# Altium PCB EPS.PcbDoc (part 3 of 11)
Units mm, origin at the board's own origin, x right, y up, seen from the top; angles counter-clockwise.
Board outline 90.25 x 93.64 mm, 8 copper layers (Top Layer, PGND, Power, Control Signals 1, Control Signals 2, Signal 1, Signal 2, Bottom Layer), stack 1.637 mm thick; 941 components, 557 nets, 2694 pads, 869 vias.
Unrouted connection lines stored in the file: 2.
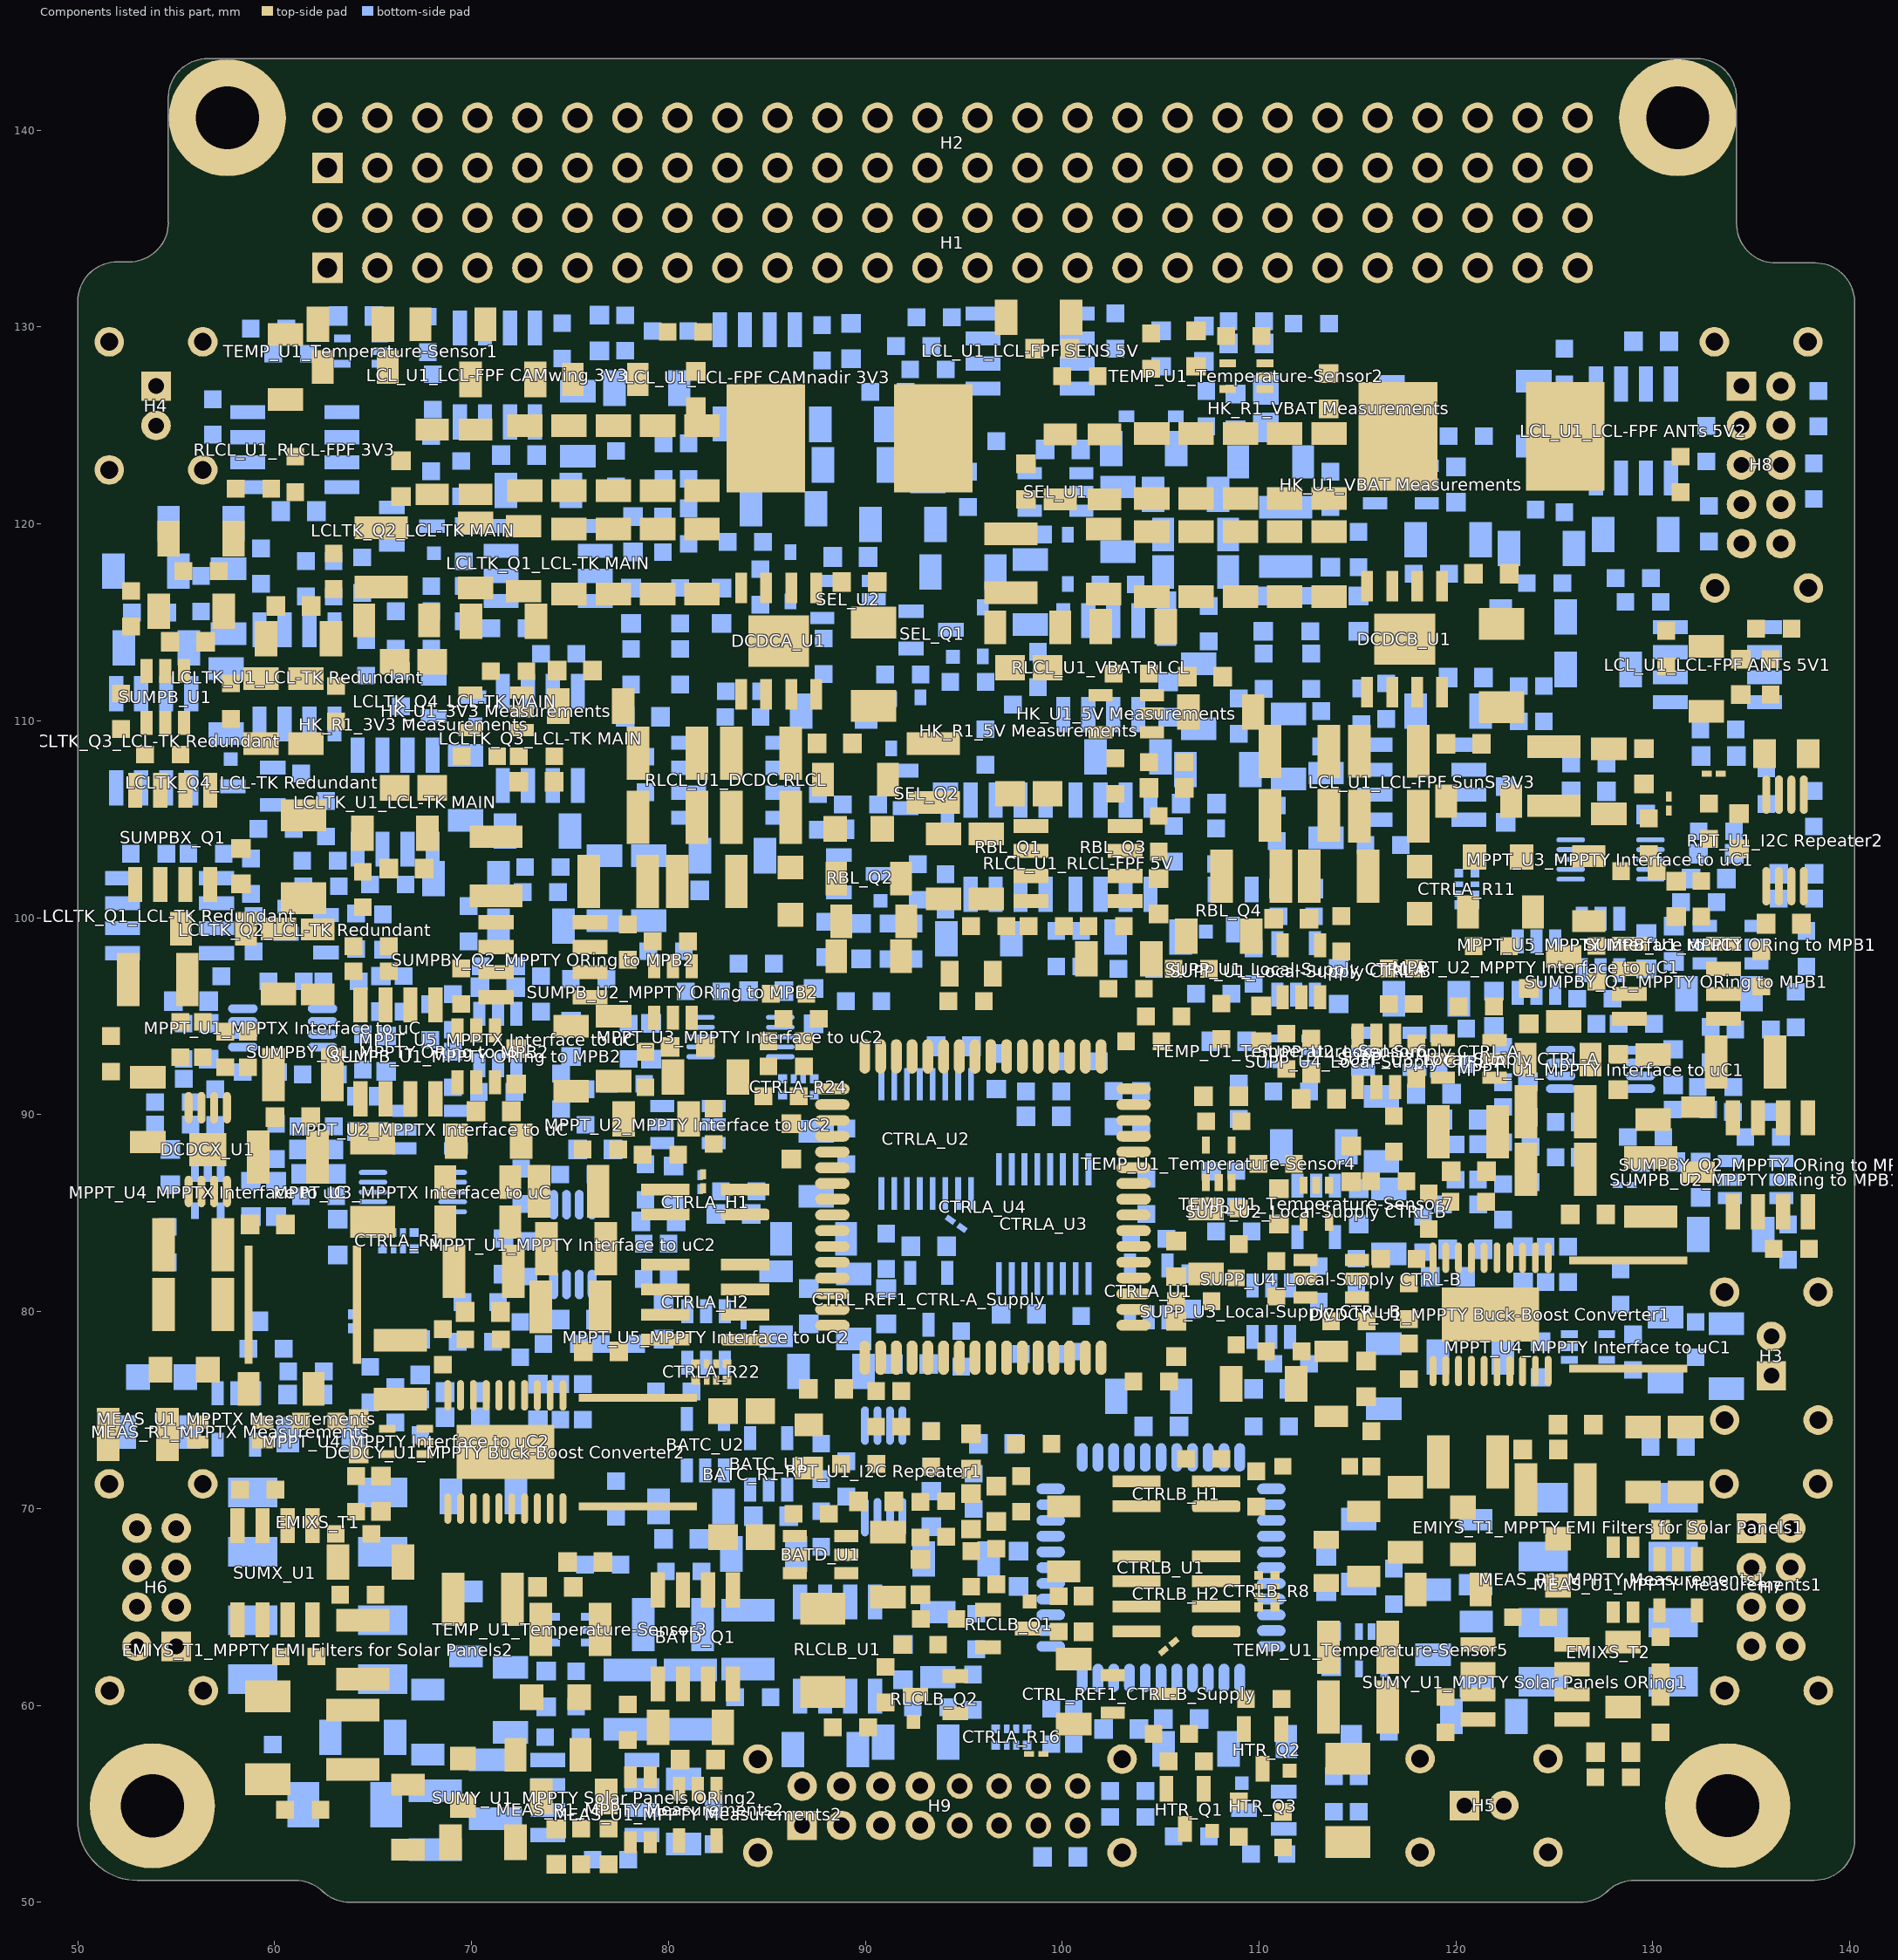
[diagram p9: the components of this part, seen from the top]

## Components (designator, comment, footprint, x,y, rotation, side; value= is the part's Value field where it differs from the comment) (continued)
"MPPT_R2_MPPTY Interface to uC1" "220k/1%" SMD_Resistor_0603 131.915,90.259 r0 bottom (schematic designator MPPT_R2)
"MPPT_R2_MPPTY Interface to uC2" "220k/1%" SMD_Resistor_0603 75.4,86.957 r180 bottom (schematic designator MPPT_R2)
"MPPT_R3_MPPTX Interface to uC" "13k/1%" SMD_Resistor_0603 63.373,96.774 r180 bottom (schematic designator MPPT_R3)
"MPPT_R3_MPPTY Interface to uC1" "13k/1%" SMD_Resistor_0603 133.185,91.402 r180 bottom (schematic designator MPPT_R3)
"MPPT_R3_MPPTY Interface to uC2" "13k/1%" SMD_Resistor_0603 72.898,82.677 r90 bottom (schematic designator MPPT_R3)
"MPPT_R4_MPPTX Interface to uC" "NC" SMD_Resistor_0603 55.372,93.726 r90 bottom (schematic designator MPPT_R4)
"MPPT_R4_MPPTY Interface to uC1" "NC" SMD_Resistor_0603 125.057,88.735 r270 bottom (schematic designator MPPT_R4)
"MPPT_R4_MPPTY Interface to uC2" "NC" SMD_Resistor_0603 77.47,78.359 r0 bottom (schematic designator MPPT_R4)
"MPPT_R5_MPPTX Interface to uC" "4.7k/1%" SMD_Resistor_0603 69.05,95.212 r270 bottom (schematic designator MPPT_R5)
"MPPT_R5_MPPTY Interface to uC1" "4.7k/1%" SMD_Resistor_0603 129.159,94.615 r180 bottom (schematic designator MPPT_R5)
"MPPT_R5_MPPTY Interface to uC2" "4.7k/1%" SMD_Resistor_0603 75.781,90.386 r90 bottom (schematic designator MPPT_R5)
"MPPT_R6_MPPTX Interface to uC" "680k/1%" SMD_Resistor_0603 67.907,94.704 r270 bottom (schematic designator MPPT_R6)
"MPPT_R6_MPPTY Interface to uC1" "680k/1%" SMD_Resistor_0603 135.09,94.323 r0 bottom (schematic designator MPPT_R6)
"MPPT_R6_MPPTY Interface to uC2" "680k/1%" SMD_Resistor_0603 78.829,86.576 r270 bottom (schematic designator MPPT_R6)
"MPPT_R7_MPPTX Interface to uC" "330k/1%" SMD_Resistor_0603 66.548,96.139 r270 bottom (schematic designator MPPT_R7)
"MPPT_R7_MPPTY Interface to uC1" "330k/1%" SMD_Resistor_0603 132.931,93.561 r90 bottom (schematic designator MPPT_R7)
"MPPT_R7_MPPTY Interface to uC2" "330k/1%" SMD_Resistor_0603 74.549,91.186 r270 bottom (schematic designator MPPT_R7)
"MPPT_R8_MPPTX Interface to uC" "680k/1%" SMD_Resistor_0603 62.319,92.037 r0 bottom (schematic designator MPPT_R8)
"MPPT_R8_MPPTY Interface to uC1" "680k/1%" SMD_Resistor_0603 129.629,88.862 r0 bottom (schematic designator MPPT_R8)
"MPPT_R8_MPPTY Interface to uC2" "680k/1%" SMD_Resistor_0603 78.74,82.55 r90 bottom (schematic designator MPPT_R8)
"MPPT_R9_MPPTX Interface to uC" "330k/1%" SMD_Resistor_0603 56.388,97.028 r180 bottom (schematic designator MPPT_R9)
"MPPT_R9_MPPTY Interface to uC1" "330k/1%" SMD_Resistor_0603 122.39,92.545 r270 bottom (schematic designator MPPT_R9)
"MPPT_R9_MPPTY Interface to uC2" "330k/1%" SMD_Resistor_0603 80.01,82.55 r270 bottom (schematic designator MPPT_R9)
"MPPT_R10_MPPTX Interface to uC" "1k/1%" SMD_Resistor_0603 59.563,78.105 r180 bottom (schematic designator MPPT_R10)
"MPPT_R10_MPPTY Interface to uC1" "1k/1%" SMD_Resistor_0603 126.746,107.823 r0 bottom (schematic designator MPPT_R10)
"MPPT_R10_MPPTY Interface to uC2" "1k/1%" SMD_Resistor_0603 89.916,95.758 r0 bottom (schematic designator MPPT_R10)
"MPPT_R11_MPPTX Interface to uC" "2.2k/1%" SMD_Resistor_0603 54.572,83.401 r90 bottom (schematic designator MPPT_R11)
"MPPT_R11_MPPTY Interface to uC1" "2.2k/1%" SMD_Resistor_0603 128.359,81.242 r270 bottom (schematic designator MPPT_R11)
"MPPT_R11_MPPTY Interface to uC2" "2.2k/1%" SMD_Resistor_0603 62.23,74.422 r0 top (schematic designator MPPT_R11)
"MPPT_R12_MPPTX Interface to uC" "1k/1%" SMD_Resistor_0603 62.103,89.408 r180 bottom (schematic designator MPPT_R12)
"MPPT_R12_MPPTY Interface to uC1" "1k/1%" SMD_Resistor_0603 132.334,100.787 r0 bottom (schematic designator MPPT_R12)
"MPPT_R12_MPPTY Interface to uC2" "1k/1%" SMD_Resistor_0603 75.946,96.901 r0 bottom (schematic designator MPPT_R12)
"MPPT_R13_MPPTX Interface to uC" "4.7k/1%" SMD_Resistor_0603 64.897,98.552 r180 top (schematic designator MPPT_R13)
"MPPT_R13_MPPTY Interface to uC1" "4.7k/1%" SMD_Resistor_0603 132.461,100.965 r270 top (schematic designator MPPT_R13)
"MPPT_R13_MPPTY Interface to uC2" "4.7k/1%" SMD_Resistor_0603 81.788,96.266 r180 bottom (schematic designator MPPT_R13)
"MPPT_R14_MPPTX Interface to uC" "1k/1%" SMD_Resistor_0603 62.23,85.852 r0 bottom (schematic designator MPPT_R14)
"MPPT_R14_MPPTY Interface to uC1" "1k/1%" SMD_Resistor_0603 133.223,104.394 r180 bottom (schematic designator MPPT_R14)
"MPPT_R14_MPPTY Interface to uC2" "1k/1%" SMD_Resistor_0603 77.978,93.726 r90 bottom (schematic designator MPPT_R14)
"MPPT_R15_MPPTX Interface to uC" "5.6k/1%" SMD_Resistor_0603 69.05,92.291 r270 bottom (schematic designator MPPT_R15)
"MPPT_R15_MPPTY Interface to uC1" "5.6k/1%" SMD_Resistor_0603 126.238,94.615 r180 bottom (schematic designator MPPT_R15)
"MPPT_R15_MPPTY Interface to uC2" "5.6k/1%" SMD_Resistor_0603 77.862,91.567 r0 bottom (schematic designator MPPT_R15)
"MPPT_R16_MPPTX Interface to uC" "4.7k/1%" SMD_Resistor_0603 71.272,91.161 r0 bottom (schematic designator MPPT_R16)
"MPPT_R16_MPPTY Interface to uC1" "4.7k/1%" SMD_Resistor_0603 127.051,95.885 r0 bottom (schematic designator MPPT_R16)
"MPPT_R16_MPPTY Interface to uC2" "4.7k/1%" SMD_Resistor_0603 80.264,75.946 r0 bottom (schematic designator MPPT_R16)
"MPPT_R17_MPPTX Interface to uC" "22k/1%" SMD_Resistor_0603 73.533,96.139 r90 bottom (schematic designator MPPT_R17)
"MPPT_R17_MPPTY Interface to uC1" "22k/1%" SMD_Resistor_0603 129.794,104.14 r270 top (schematic designator MPPT_R17)
"MPPT_R17_MPPTY Interface to uC2" "22k/1%" SMD_Resistor_0603 84.455,97.663 r180 bottom (schematic designator MPPT_R17)
"MPPT_R18_MPPTX Interface to uC" "11k/1%" SMD_Resistor_0603 71.374,97.536 r180 bottom (schematic designator MPPT_R18)
"MPPT_R18_MPPTY Interface to uC1" "11k/1%" SMD_Resistor_0603 129.286,102.362 r180 top (schematic designator MPPT_R18)
"MPPT_R18_MPPTY Interface to uC2" "11k/1%" SMD_Resistor_0603 83.566,86.106 r180 bottom (schematic designator MPPT_R18)
"MPPT_U1_MPPTX Interface to uC" "LTC6078" MSOP-8 60.407,94.409 r0 bottom (schematic designator MPPT_U1)
"MPPT_U1_MPPTY Interface to uC1" "LTC6078" MSOP-8 127.343,92.291 r0 bottom (schematic designator MPPT_U1)
"MPPT_U1_MPPTY Interface to uC2" "LTC6078" MSOP-8 75.146,83.401 r90 bottom (schematic designator MPPT_U1)
"MPPT_U2_MPPTX Interface to uC" "DAC121S101" SOT23-6 67.907,89.243 r0 bottom (schematic designator MPPT_U2)
"MPPT_U2_MPPTY Interface to uC1" "DAC121S101" SOT23-6 124.079,97.498 r90 bottom (schematic designator MPPT_U2)
"MPPT_U2_MPPTY Interface to uC2" "DAC121S101" SOT23-6 80.988,89.497 r0 bottom (schematic designator MPPT_U2)
"MPPT_U3_MPPTX Interface to uC" "ADC124S021CIMM" MUB10A_L 67.018,86.068 r0 bottom (schematic designator MPPT_U3)
"MPPT_U3_MPPTY Interface to uC1" "ADC124S021CIMM" MUB10A_L 127.851,102.959 r180 bottom (schematic designator MPPT_U3)
"MPPT_U3_MPPTY Interface to uC2" "ADC124S021CIMM" MUB10A_L 83.655,93.942 r0 bottom (schematic designator MPPT_U3)
"MPPT_U4_MPPTX Interface to uC" "LMT87" SC70-LT5_N 56.604,86.068 r270 bottom (schematic designator MPPT_U4)
"MPPT_U4_MPPTY Interface to uC1" "LMT87" SC70-LT5_N 126.708,78.194 r0 bottom (schematic designator MPPT_U4)
"MPPT_U4_MPPTY Interface to uC2" "LMT87" SC70-LT5_N 66.675,73.406 r180 top (schematic designator MPPT_U4)
"MPPT_U5_MPPTX Interface to uC" "Value" SOT23-6 71.336,93.815 r270 bottom (schematic designator MPPT_U5)
"MPPT_U5_MPPTY Interface to uC1" "Value" SOT23-6 127.343,98.641 r270 bottom (schematic designator MPPT_U5)
"MPPT_U5_MPPTY Interface to uC2" "Value" SOT23-6 81.915,78.702 r270 bottom (schematic designator MPPT_U5)
RBL_C1 "10u/16V" SMD_Capacitor_1206 95.758,98.933 r180 bottom
RBL_C2 "100n/50V" SMD_Capacitor_0603 89.789,98.806 r270 bottom
RBL_C3 "10u/16V" SMD_Capacitor_1206 104.356,99.022 r180 bottom
RBL_C4 "100n/50V" SMD_Capacitor_0603 106.934,105.791 r0 bottom
RBL_Q1 "IRF7416" SOIC-8-N_SSSGDDDD 97.244,103.594 r90 bottom
RBL_Q2 "2N2222ACSM" LCC1-4_BEC 88.353,102.235 r90 bottom
RBL_Q3 "IRF7416" SOIC-8-N_SSSGDDDD 102.578,103.594 r90 bottom
RBL_Q4 "2N2222ACSM" LCC1-4_BEC 108.674,101.728 r0 bottom
RBL_R1 "10k/1%" SMD_Resistor_0603 92.456,98.806 r90 bottom
RBL_R2 "220R" SMD_Resistor_0603 94.069,101.308 r270 bottom
RBL_R3 "22k/1%" SMD_Resistor_0603 91.186,98.806 r90 bottom
RBL_R4 "4.7k/1%" SMD_Resistor_0603 92.672,101.816 r90 bottom
RBL_R5 "10k/1%" SMD_Resistor_0603 87.973,98.895 r90 bottom
RBL_R6 "22k/1%" SMD_Resistor_0603 99.695,98.425 r270 bottom
RBL_R7 "220R" SMD_Resistor_0603 100.965,98.425 r270 bottom
RBL_R8 "22k/1%" SMD_Resistor_0603 105.664,103.759 r90 bottom
RBL_R9 "10k/1%" SMD_Resistor_0603 103.759,97.409 r0 bottom
RBL_R10 "10k/1%" SMD_Resistor_0603 107.823,103.632 r270 bottom
"RLCL_C1_DCDC RLCL" "10u/16V" SMD_Capacitor_1206 79,101.5 r270 bottom (schematic designator RLCL_C1)
"RLCL_C1_RLCL-FPF 3V3" "10u/16V" SMD_Capacitor_1206 56.261,120.015 r180 bottom (schematic designator RLCL_C1)
"RLCL_C1_RLCL-FPF 5V" "10u/16V" SMD_Capacitor_1206 96.139,102.616 r270 top (schematic designator RLCL_C1)
"RLCL_C1_VBAT RLCL" "10u/16V" SMD_Capacitor_1206 103.34,108.166 r0 bottom (schematic designator RLCL_C1)
"RLCL_C2_DCDC RLCL" "1u/25V" SMD_Capacitor_1206 83.25,103.15 r0 bottom (schematic designator RLCL_C2)
"RLCL_C2_RLCL-FPF 3V3" "100n/50V" SMD_Capacitor_0603 61.214,120.65 r180 bottom (schematic designator RLCL_C2)
"RLCL_C2_RLCL-FPF 5V" "100n/50V" SMD_Capacitor_0603 104.902,101.092 r90 top (schematic designator RLCL_C2)
"RLCL_C2_VBAT RLCL" "1u/25V" SMD_Capacitor_1206 106.934,111.252 r90 bottom (schematic designator RLCL_C2)
"RLCL_C3_DCDC RLCL" "100n/50V" SMD_Capacitor_0603 82.5,101.4 r0 bottom (schematic designator RLCL_C3)
"RLCL_C3_RLCL-FPF 3V3" "10u/16V" SMD_Capacitor_1206 56.261,119.253 r0 top (schematic designator RLCL_C3)
"RLCL_C3_RLCL-FPF 5V" "10u/16V" SMD_Capacitor_1206 93.98,102.616 r90 top (schematic designator RLCL_C3)
"RLCL_C3_VBAT RLCL" "100n/50V" SMD_Capacitor_0603 105.372,111.087 r90 bottom (schematic designator RLCL_C3)
"RLCL_C4_DCDC RLCL" "100n/50V" SMD_Capacitor_0603 89.878,104.483 r0 bottom (schematic designator RLCL_C4)
"RLCL_C4_VBAT RLCL" "100n/50V" SMD_Capacitor_0603 105.283,115.189 r270 bottom (schematic designator RLCL_C4)
"RLCL_C5_DCDC RLCL" "10u/16V" SMD_Capacitor_1206 76.75,101.5 r90 bottom (schematic designator RLCL_C5)
"RLCL_C5_VBAT RLCL" "10u/16V" SMD_Capacitor_1206 107.912,107.531 r0 bottom (schematic designator RLCL_C5)
"RLCL_R1_RLCL-FPF 3V3" "220k/1%" SMD_Resistor_0603 61.049,122.517 r270 top (schematic designator RLCL_R1)
"RLCL_R1_RLCL-FPF 5V" "220k/1%" SMD_Resistor_0603 104.902,104.267 r90 top (schematic designator RLCL_R1)
"RLCL_R2_DCDC RLCL" "180k/1%" SMD_Resistor_0603 83.782,110.198 r180 bottom (schematic designator RLCL_R2)
"RLCL_R2_VBAT RLCL" "180k/1%" SMD_Resistor_0603 98.768,112.611 r270 bottom (schematic designator RLCL_R2)
"RLCL_R3_DCDC RLCL" "220k/1%" SMD_Resistor_0603 78.829,107.277 r90 bottom (schematic designator RLCL_R3)
"RLCL_R3_VBAT RLCL" "220k/1%" SMD_Resistor_0603 97.498,111.722 r270 bottom (schematic designator RLCL_R3)
"RLCL_R4_DCDC RLCL" "1M" SMD_Resistor_0603 79.883,98.298 r180 bottom (schematic designator RLCL_R4)
"RLCL_R4_RLCL-FPF 3V3" "220k/1%" SMD_Resistor_0603 58.928,121.793 r0 top (schematic designator RLCL_R4)
"RLCL_R4_RLCL-FPF 5V" "220k/1%" SMD_Resistor_0603 102.235,99.568 r0 top (schematic designator RLCL_R4)
"RLCL_R4_VBAT RLCL" "1M" SMD_Resistor_0603 108.966,110.236 r270 bottom (schematic designator RLCL_R4)
"RLCL_R5_DCDC RLCL" "51R" SMD_Resistor_0603 83.82,111.506 r180 bottom (schematic designator RLCL_R5)
"RLCL_R5_VBAT RLCL" "51R" SMD_Resistor_0603 107.442,114.935 r90 bottom (schematic designator RLCL_R5)
"RLCL_R6_DCDC RLCL" "220k/1%" SMD_Resistor_0603 87.592,105.372 r270 bottom (schematic designator RLCL_R6)
"RLCL_R6_RLCL-FPF 3V3" "1M" SMD_Resistor_0603 56.261,117.602 r180 top (schematic designator RLCL_R6)
"RLCL_R6_RLCL-FPF 5V" "1M" SMD_Resistor_0603 96.266,99.568 r180 top (schematic designator RLCL_R6)
"RLCL_R6_VBAT RLCL" "220k/1%" SMD_Resistor_0603 102.832,116.929 r0 bottom (schematic designator RLCL_R6)
"RLCL_U1_DCDC RLCL" "FPF2700MX" SOIC-8-N 83.45,107 r0 bottom (schematic designator RLCL_U1)
"RLCL_U1_RLCL-FPF 3V3" "FPF2700MX" SOIC-8-N 61.049,123.787 r0 bottom (schematic designator RLCL_U1)
"RLCL_U1_RLCL-FPF 5V" "FPF2700MX" SOIC-8-N 100.838,102.743 r0 top (schematic designator RLCL_U1)
"RLCL_U1_VBAT RLCL" "FPF2700MX" SOIC-8-N 101.943,112.738 r90 bottom (schematic designator RLCL_U1)
RLCLB_C1 "10u/25V" SMD_Capacitor_1210 80.226,64.097 r180 bottom
RLCLB_C2 "10u/25V" SMD_Capacitor_1210 84.036,63.335 r270 bottom
RLCLB_C3 "1u/25V" SMD_Capacitor_1206 93.688,63.081 r270 bottom
RLCLB_C4 "100n/50V" SMD_Capacitor_0603 91.91,62.192 r270 bottom
RLCLB_C5 "1u/25V" SMD_Capacitor_1206 87.973,57.747 r0 bottom
RLCLB_C6 "10u/25V" SMD_Capacitor_1210 78.067,60.287 r270 bottom
RLCLB_C7 "10u/25V" SMD_Capacitor_1210 81.115,60.287 r270 bottom
RLCLB_C8 "1u/25V" SMD_Capacitor_1206 92.545,58.128 r0 bottom
RLCLB_Q1 "2N2222ACSM" LCC1-4_BEC 95.928,63.904 r270 top
RLCLB_Q2 "2N2222ACSM" LCC1-4_BEC 94.87,60.541 r90 top
RLCLB_R1 "10k/1%" SMD_Resistor_0603 92.799,63.081 r0 top
RLCLB_R2 "220R/1%" SMD_Resistor_0603 93.726,64.389 r0 top
RLCLB_R3 "220R/1%" SMD_Resistor_0603 91.021,61.049 r270 top
RLCLB_R4 "470k/1%" SMD_Resistor_0603 89.243,58.89 r180 top
RLCLB_R6 "150k/1%" SMD_Resistor_0603 95.631,63.754 r270 bottom
RLCLB_R8 "51R" SMD_Resistor_0603 95.466,60.668 r270 bottom
RLCLB_R9 "22k/1%" SMD_Resistor_0603 110.617,74.168 r0 bottom
RLCLB_R10 "22k/1%" SMD_Resistor_0603 104.14,93.726 r0 top
RLCLB_R11 "470k" SMD_Resistor_0603 76.67,67.145 r180 bottom
RLCLB_R12 "470k" SMD_Resistor_0603 84.29,60.414 r0 bottom
RLCLB_R13 "470k" SMD_Resistor_0603 93.307,59.906 r0 bottom
RLCLB_U1 "FPF2700MX" SOIC-8-N 88.608,62.827 r270 bottom
"RPT_C1_I2C Repeater1" "10p/50V" SMD_Capacitor_0603 93.345,69.977 r270 bottom (schematic designator RPT_C1)
"RPT_C1_I2C Repeater2" "10p/50V" SMD_Capacitor_0603 137.287,102.235 r0 bottom (schematic designator RPT_C1)
"RPT_C2_I2C Repeater1" "10p/50V" SMD_Capacitor_0603 95.377,72.898 r90 top (schematic designator RPT_C2)
"RPT_C2_I2C Repeater2" "10p/50V" SMD_Capacitor_0603 134.366,104.394 r90 top (schematic designator RPT_C2)
"RPT_C3_I2C Repeater1" "100n/50V" SMD_Capacitor_0603 90.551,70.358 r0 top (schematic designator RPT_C3)
"RPT_C3_I2C Repeater2" "100n/50V" SMD_Capacitor_0603 136.652,99.695 r180 top (schematic designator RPT_C3)
"RPT_C5_I2C Repeater1" "Cap" SMD_Capacitor_0805 87.122,73.152 r90 top value=470n/16V (schematic designator RPT_C5)
"RPT_C5_I2C Repeater2" "Cap" SMD_Capacitor_0805 136.779,108.331 r180 top value=470n/16V (schematic designator RPT_C5)
"RPT_R1_I2C Repeater1" "4.7k/1%" SMD_Resistor_0603 89.662,72.263 r0 top (schematic designator RPT_R1)
"RPT_R1_I2C Repeater2" "4.7k/1%" SMD_Resistor_0603 132.842,104.902 r270 top (schematic designator RPT_R1)
"RPT_R2_I2C Repeater1" "4.7k/1%" SMD_Resistor_0603 89.027,71.501 r90 bottom (schematic designator RPT_R2)
"RPT_R2_I2C Repeater2" "4.7k/1%" SMD_Resistor_0603 138.176,105.537 r270 bottom (schematic designator RPT_R2)
"RPT_R3_I2C Repeater1" "100R/1%" SMD_Resistor_0603 93.345,73.025 r90 bottom (schematic designator RPT_R3)
"RPT_R3_I2C Repeater2" "100R/1%" SMD_Resistor_0603 137.287,100.965 r0 bottom (schematic designator RPT_R3)
"RPT_R4_I2C Repeater1" "100R/1%" SMD_Resistor_0603 138.405,125.857 r270 bottom (schematic designator RPT_R4)
"RPT_R4_I2C Repeater2" "100R/1%" SMD_Resistor_0603 138.176,122.174 r90 bottom (schematic designator RPT_R4)
"RPT_R5_I2C Repeater1" "100R/1%" SMD_Resistor_0603 93.345,73.025 r90 top (schematic designator RPT_R5)
"RPT_R5_I2C Repeater2" "100R/1%" SMD_Resistor_0603 135.763,106.68 r90 bottom (schematic designator RPT_R5)
"RPT_R6_I2C Repeater1" "100R/1%" SMD_Resistor_0603 132.715,124.079 r90 bottom (schematic designator RPT_R6)
"RPT_R6_I2C Repeater2" "100R/1%" SMD_Resistor_0603 132.842,120.015 r90 bottom (schematic designator RPT_R6)
"RPT_U1_I2C Repeater1" "PCA9517" TSSOP8_L 89.662,71.882 r90 bottom (schematic designator RPT_U1)
"RPT_U1_I2C Repeater2" "PCA9517" TSSOP8_L 135.445,103.925 r270 top (schematic designator RPT_U1)
SEL_C1 "Cap" SMD_Capacitor_0603 78.702,110.198 r180 bottom value=100n/50V
SEL_C2 "100n/50V" SMD_Capacitor_0603 100.038,123.787 r0 bottom
SEL_C3 "100n/50V" SMD_Capacitor_0603 89.243,118.326 r0 bottom
SEL_C4 "10u/16V" SMD_Capacitor_1206 98.387,116.548 r270 bottom
SEL_C5 "10u/16V" SMD_Capacitor_1206 88.392,110.49 r0 bottom
SEL_C6 "10u/16V" SMD_Capacitor_1206 102.832,120.231 r90 bottom
SEL_C7 "10u/16V" SMD_Capacitor_1206 94.958,117.564 r180 bottom
SEL_D1 "BAT165" SOD323 104.521,125.476 r180 bottom
SEL_D2 "BAT165" SOD323 86.195,117.31 r270 bottom
SEL_D3 "BAT165" SOD323 95.974,114.516 r90 bottom
SEL_D4 "BAT165" SOD323 92.799,109.944 r90 bottom
SEL_D5 "BAT165" SOD323 100.292,118.199 r90 bottom
SEL_D6 "BAT165" SOD323 91.313,109.855 r270 bottom
SEL_Q1 "2N2222ACSM" LCC1-4_BEC 92.025,114.621 r90 bottom
SEL_Q2 "2N2222ACSM" LCC1-4_BEC 91.744,106.515 r90 bottom
SEL_R1 "100k/1%" SMD_Resistor_0603 81.026,119.888 r90 bottom
SEL_R2 "22k/1%" SMD_Resistor_0603 95.212,111.976 r0 bottom
SEL_R3 "22k/1%" SMD_Resistor_0603 96.101,108.674 r90 bottom
SEL_R4 "22k/1%" SMD_Resistor_0603 91.91,112.357 r0 bottom
SEL_R5 "22k/1%" SMD_Resistor_0603 89.751,105.753 r0 bottom
SEL_R6 "4.7k" SMD_Resistor_0603 107.315,125.857 r90 bottom
SEL_R7 "4.7k" SMD_Resistor_0603 83.909,119.088 r180 bottom
SEL_R8 "470R" SMD_Resistor_0603 98.133,119.469 r180 bottom
SEL_R9 "470R" SMD_Resistor_0603 87.884,113.284 r270 bottom
SEL_R10 "47k" SMD_Resistor_0603 95.212,121.755 r90 bottom
SEL_R11 "47k" SMD_Resistor_0603 84.671,116.802 r90 bottom
SEL_U1 "NC7SZ14" SOT23-5 99.657,121.628 r180 bottom
SEL_U2 "NC7SZ14" SOT23-5 89.116,116.167 r180 bottom
SUMPB_U1 "LTC4412" SOT23-6 54.445,111.214 r270 top
"SUMPB_U1_MPPTY ORing to MPB1" "LTC4412" SOT23-6 133.947,98.641 r0 bottom (schematic designator SUMPB_U1)
"SUMPB_U1_MPPTY ORing to MPB2" "LTC4412" SOT23-6 70.231,92.964 r90 top (schematic designator SUMPB_U1)
"SUMPB_U2_MPPTY ORing to MPB1" "LTC4412" SOT23-6 135.217,86.703 r0 bottom (schematic designator SUMPB_U2)
"SUMPB_U2_MPPTY ORing to MPB2" "LTC4412" SOT23-6 80.226,96.228 r90 top (schematic designator SUMPB_U2)
SUMPBX_C1 "1u/25V" SMD_Capacitor_1206 55.753,115.57 r180 top
SUMPBX_C2 "100n/50V" SMD_Capacitor_0603 55.588,114.008 r180 top
SUMPBX_C3 "10u/16V" SMD_Capacitor_1206 59.309,110.49 r90 top
SUMPBX_C4 "10u/16V" SMD_Capacitor_1206 61.595,110.49 r270 top
SUMPBX_D1 "STPS340U" DO-214AA 61.468,103.124 r270 top
SUMPBX_Q1 "IRF7416" SOIC-8-N_SSSGDDDD 54.821,104.069 r270 top
SUMPBX_R1 "100k/1%" SMD_Resistor_0603 54.318,108.293 r180 top
SUMPBX_R3 "1M/1%" SMD_Resistor_0603 57.785,110.998 r90 top
SUMPBX_R4 "1k/1%" SMD_Resistor_0603 52.705,115.697 r270 top
SUMPBX_R5 "470k/1%" SMD_Resistor_0603 52.197,110.49 r270 top
SUMPBX_R6 "1M/1%" SMD_Resistor_0603 63.119,110.871 r270 top
"SUMPBY_C1_MPPTY ORing to MPB1" "1u/25V" SMD_Capacitor_1206 133.35,96.139 r0 bottom (schematic designator SUMPBY_C1)
"SUMPBY_C1_MPPTY ORing to MPB2" "1u/25V" SMD_Capacitor_1206 75.057,92.837 r270 top (schematic designator SUMPBY_C1)
"SUMPBY_C2_MPPTY ORing to MPB1" "100n/50V" SMD_Capacitor_0603 131.064,98.679 r90 bottom (schematic designator SUMPBY_C2)
"SUMPBY_C2_MPPTY ORing to MPB2" "100n/50V" SMD_Capacitor_0603 72.263,92.456 r270 top (schematic designator SUMPBY_C2)
"SUMPBY_C3_MPPTY ORing to MPB1" "10u/16V" SMD_Capacitor_1206 133.731,77.724 r90 bottom (schematic designator SUMPBY_C3)
"SUMPBY_C3_MPPTY ORing to MPB2" "10u/16V" SMD_Capacitor_1206 77.216,93.345 r270 top (schematic designator SUMPBY_C3)
"SUMPBY_C4_MPPTY ORing to MPB1" "10u/16V" SMD_Capacitor_1206 130.645,78.067 r270 bottom (schematic designator SUMPBY_C4)
"SUMPBY_C4_MPPTY ORing to MPB2" "10u/16V" SMD_Capacitor_1206 79.375,89.789 r0 top (schematic designator SUMPBY_C4)
"SUMPBY_C5_MPPTY ORing to MPB1" "1u/25V" SMD_Capacitor_1206 133.947,83.909 r0 bottom (schematic designator SUMPBY_C5)
"SUMPBY_C5_MPPTY ORing to MPB2" "1u/25V" SMD_Capacitor_1206 81.877,91.91 r0 top (schematic designator SUMPBY_C5)
"SUMPBY_C6_MPPTY ORing to MPB1" "100n/50V" SMD_Capacitor_0603 132.423,86.703 r90 bottom (schematic designator SUMPBY_C6)
"SUMPBY_C6_MPPTY ORing to MPB2" "100n/50V" SMD_Capacitor_0603 80.988,93.434 r0 top (schematic designator SUMPBY_C6)